# KiCad board FetsAndCrosses.kicad_pcb (continued)
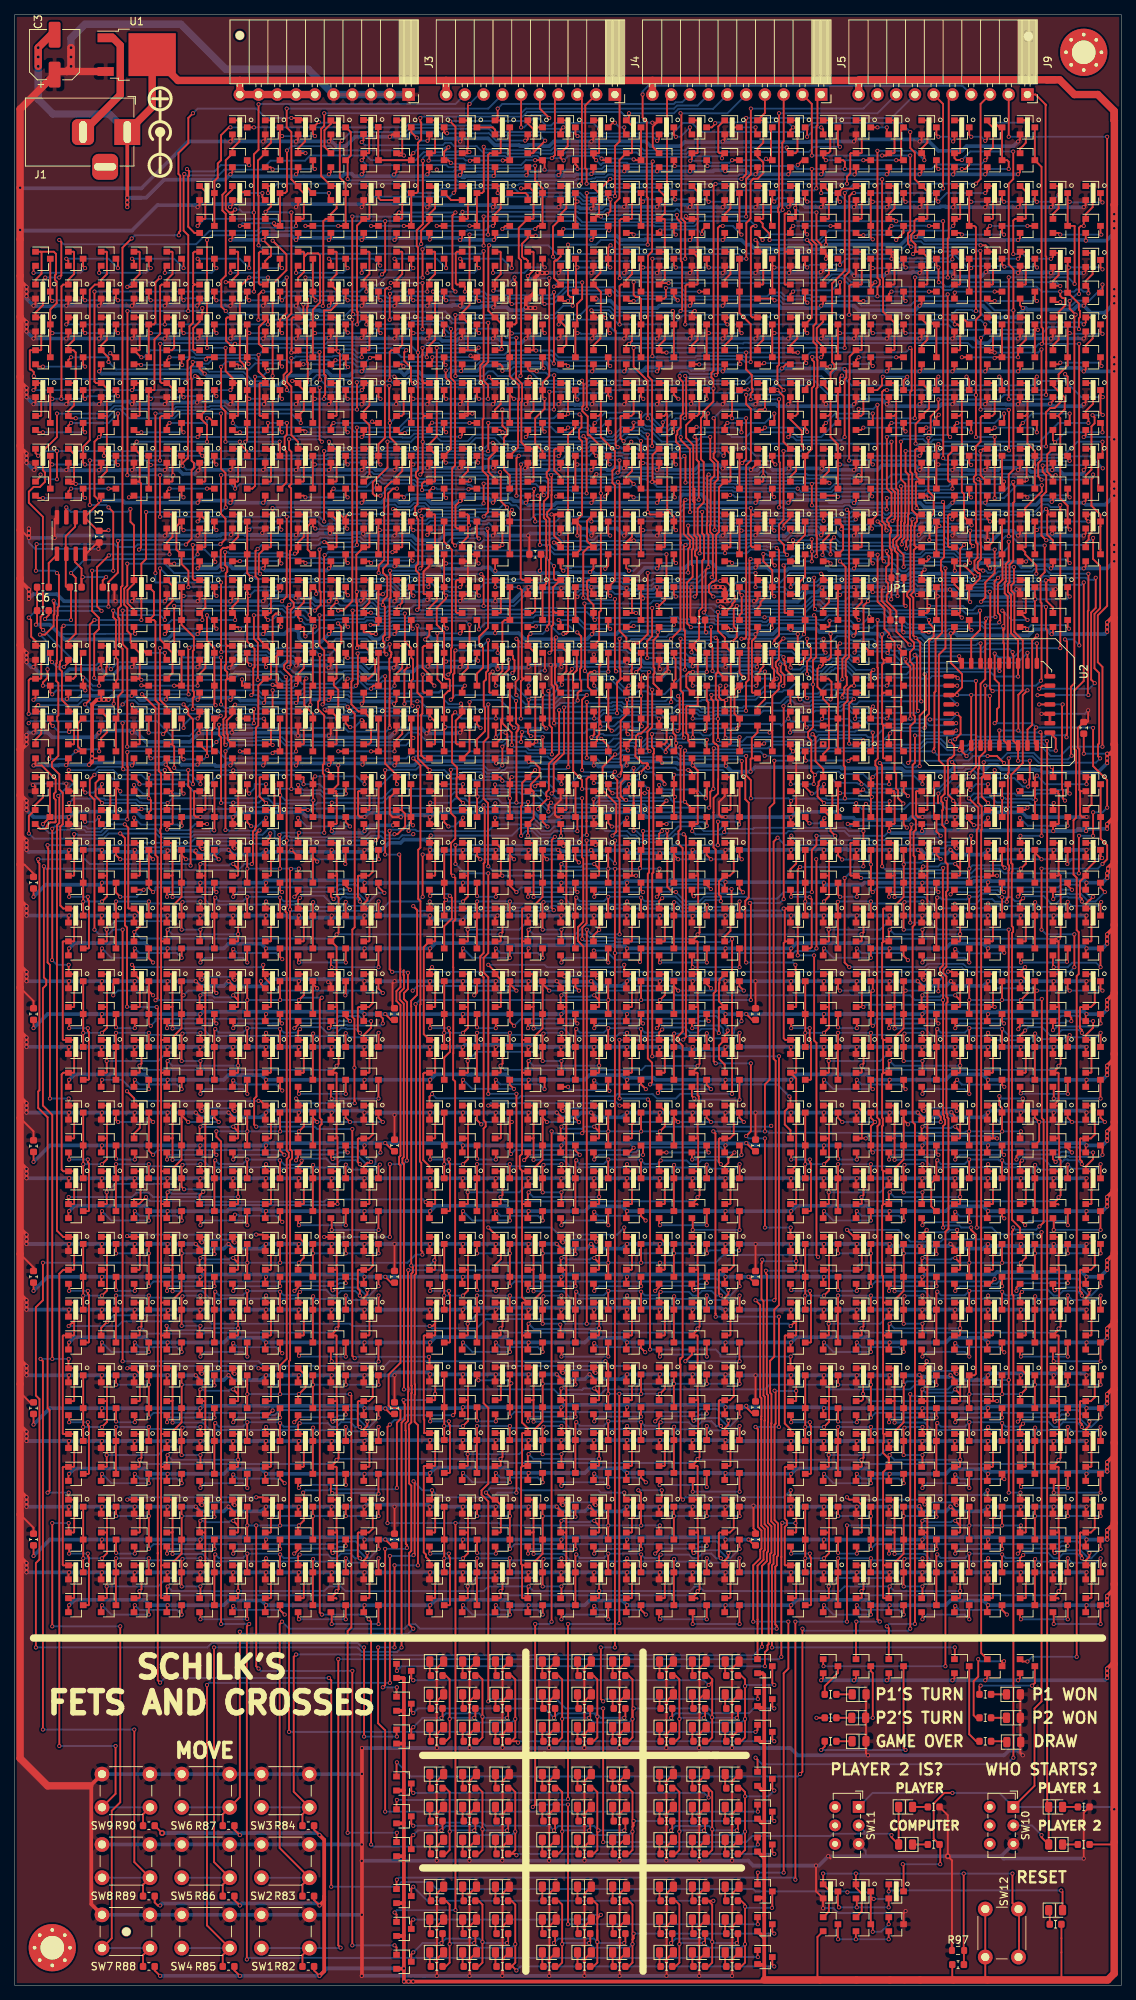
[diagram p0: board, top side]
## Routing (per net, layer and track width the routed paths; a pad name or vN(x,y) marks a point on that pad's centre or on a via; arc(x,y) is an arc through that point) (continued)
/EndState_Detect/Win_Detect_P2/Col_2: length 34.5
  Top w0.25: Q603.1 52.41,234.63 52.48,234.55 52.48,231.61 51.7,230.83 Q600.1 51.47,230.42 v1(50.93,230.42) ; 53.7,223.88 Q559.3 ; 53.7,223.88 Q561.3 ; 53.71,223.89 53.72,223.89 v1(53.99,223.61) ; Q564.3 62.59,223.9 v1(62.88,223.61) ; Q560.3 58.15,223.45 v1(58.1,223.4) ; v1(55.22,230.39) 55.22,230.39 v1(55.22,224.15)
  Bottom w0.25: v1(55.22,230.39) 50.95,230.39 v1(50.93,230.42) ; 55.25,223.52 55.22,223.54 v1(55.22,224.15) ; 55.25,223.52 55.4,223.67 57.83,223.67 v1(58.1,223.4) 58.36,223.14 59.56,223.14 60.03,223.61 v1(62.88,223.61) ; 55.25,223.52 55.15,223.61 v1(53.99,223.61)
/EndState_Detect/Win_Detect_P2/Col_3: length 50
  Top w0.25: Q602.1 47.96,234.63 48.04,234.55 48.04,231.61 47.26,230.83 Q595.1 47.62,229.82 v1(47.62,229.23) ; Q567.3 40.37,206.1 ; 40.37,206.1 Q565.3 ; 40.37,206.1 40.37,206.1 v1(40.64,205.83) ; v1(50.75,229.69) 50.36,229.69 50.15,229.47 50.15,223.27 50.13,223.26 50.13,209.45 49.26,208.58 Q570.3 49.26,206.1 v1(49.53,205.83) ; Q566.3 44.81,206.1 v1(45.08,205.83)
  Bottom w0.25: v1(50.75,229.69) 48.08,229.69 v1(47.62,229.23) ; v1(49.53,205.83) 49.26,206.11 45.36,206.11 v1(45.08,205.83) v1(40.64,205.83)
/EndState_Detect/Win_Detect_P2/Diag_1: length 39
  Top w0.25: 40.37,214.99 Q589.3 ; 40.37,214.99 Q591.3 ; 40.37,214.99 40.37,214.99 v1(40.64,214.72) ; Q598.1 43.52,234.63 43.59,234.55 43.59,231.61 42.81,230.83 Q605.1 43.59,229.41 43.59,227.49 42.79,226.69 41.89,226.69 41.89,218.09 42.1,217.87 42.1,217.58 42.04,217.51 42.04,215.26 41.89,215.11 v1(41.89,214.72) ; v1(45.08,214.72) 44.81,214.99 Q590.3 ; v1(49.53,214.72) 49.26,214.99 Q594.3
  Bottom w0.25: v1(49.53,214.72) v1(45.08,214.72) v1(40.64,214.72)
/EndState_Detect/Win_Detect_P2/Diag_2: length 36.1
  Top w0.25: 40.37,223.88 Q583.3 40.37,226.79 41.34,227.75 41.34,234.15 41.08,234.41 39.66,234.41 39.18,233.93 39.18,231.91 ; 40.37,223.88 Q585.3 ; 40.37,223.89 40.38,223.89 v1(40.66,223.61) ; 39.18,231.91 38.37,231.09 Q599.1 ; 39.18,231.91 39.18,234.52 39.07,234.63 Q597.1 ; Q588.3 49.26,223.9 v1(49.55,223.61) ; v1(45.1,223.68) 44.81,223.97 Q584.3
  Bottom w0.25: v1(40.66,223.61) 45.03,223.61 v1(45.1,223.68) 45.17,223.61 v1(49.55,223.61)
/EndState_Detect/Win_Detect_P2/Row_1: length 44.6
  Top w0.25: 71.76,206.74 Q552.3 71.48,207.66 70.48,208.66 70.48,212.09 71.76,213.36 v1(71.76,214.72) 71.48,214.99 Q548.3 71.48,216.9 72.39,217.8 72.39,230.64 72.41,230.66 v1(72.41,231.05) ; Q549.3 Q547.3 67.04,215.25 67.57,214.72 v1(67.6,214.72) ; Q610.1 70.19,234.63 70.26,234.55 70.26,232.12 v1(69.48,231.35) Q607.1
  Bottom w0.25: 72.27,230.91 v1(72.41,231.05) 69.78,231.05 v1(69.48,231.35) ; v1(71.76,214.72) v1(67.6,214.72)
/EndState_Detect/Win_Detect_P2/Row_2: length 43.1
  Top w0.25: Q601.1 65.04,230.83 65.82,231.61 65.82,234.55 65.74,234.63 Q609.1 ; Q601.1 65.04,229.57 v1(64.82,229.35) ; Q601.1 64.72,230.5 ; 67.31,206.74 Q558.3 68.16,208.13 68.16,214.47 68.26,214.56 68.26,216.56 67.04,217.78 Q555.3 67.04,223.88 ; 67.04,223.88 Q553.3 67.74,224.79 67.95,224.99 67.95,230.5 67.69,230.76 v1(67.69,231.14) ; 67.04,223.88 67.04,223.88 67.04,223.85 v1(67.31,223.58) ; v1(71.77,223.61) 71.48,223.9 Q554.3
  Bottom w0.25: v1(67.69,231.14) 65.9,229.35 v1(64.82,229.35) ; v1(67.31,223.58) 71.74,223.58 v1(71.77,223.61)
/EndState_Detect/Win_Detect_P2/Row_3: length 72.8
  Top w0.25: 53.7,206.1 Q571.3 ; 53.7,206.1 Q573.3 ; 53.7,206.1 53.7,206.1 v1(53.98,205.83) ; v1(58.38,206.09) 58.15,206.32 Q572.3 59.06,207.91 59.06,216.92 58.37,217.6 v1(58.37,218.56) ; Q608.1 59.9,234.63 59.72,234.46 59.72,230.36 59.9,230.19 Q596.1 60.65,230.19 60.96,229.87 v1(60.96,229.23) ; v1(73.03,229.15) 73.03,219.51 v1(73.01,219.49) ; Q576.3 62.59,206.25 v1(62.76,206.09)
  Bottom w0.25: v1(53.98,205.83) 54.25,206.11 58.36,206.11 v1(58.38,206.09) v1(62.76,206.09) ; v1(73.03,229.15) 72.62,228.75 63.99,228.75 63.5,229.23 v1(60.96,229.23) ; v1(58.37,218.56) 58.56,218.56 59.1,219.11 62.4,219.11 63.09,219.8 66.7,219.8 67.11,220.2 72.29,220.2 v1(73.01,219.49)
/P2_Switch/0: length 33.3
  Top w0.25: Q335.3 Q336.3 27.05,156.34 v1(27.01,156.31) ; Q1108.1 7.97,150.17 8.05,150.25 8.05,154.54 ; 8.05,154.54 7.97,154.62 Q1107.1 ; 8.05,154.54 8.04,154.55 v1(8.04,155.79)
  Bottom w0.25: v1(27.01,156.31) 26.62,156.31 26.47,156.16 24.07,156.16 23.76,155.84 19.8,155.84 19.15,156.49 12.67,156.49 11.84,155.66 8.56,155.66 8.43,155.79 v1(8.04,155.79)
/P2_Switch/1: length 34.3
  Top w0.25: Q1019.3 Q1020.3 76.2,157.86 v1(76.2,156.21) ; Q1148.1 56.87,150.17 56.94,150.25 56.94,154.54 56.87,154.62 Q1147.1 56.17,155.43 v1(56.34,155.61)
  Bottom w0.25: v1(56.34,155.61) 67.34,155.61 68.39,156.66 70.31,156.66 71.21,155.76 72.63,155.76 73.08,156.21 v1(76.2,156.21)
/P2_Switch/2: length 34.8
  Top w0.25: v1(105.18,155.59) 105.06,155.47 Q1187.1 105.76,154.62 105.84,154.54 105.84,151.81 105.06,151.03 Q1188.1 ; v1(125.41,155.57) 124.84,156.15 Q1026.3 124.49,158.46 124.49,162.21 Q1025.3
  Bottom w0.25: v1(105.18,155.59) 105.8,154.97 117.83,154.97 118.15,155.3 125.14,155.3 v1(125.41,155.57)
/P2_Switch/3: length 155.8
  Top w0.25: Q1228.1 7.97,132.39 8.05,132.47 8.05,136.76 7.97,136.84 Q1227.1 7.3,136.87 v1(7.3,138.11) ; v1(5.05,138.75) 5.08,138.79 v1(5.08,156.53) ; v1(15.24,157.8) 15.29,157.85 15.29,164.88 15.24,164.93 v1(15.24,166.89) ; Q373.3 102.62,178.31 102.84,178.09 102.84,176.76 102.62,176.54 Q374.3 102.62,176.28 v1(103.19,176.85) ; v1(72.75,166.59) 72.75,170.2 72.42,170.53 72.42,175.01 v1(72.27,175.17)
  Bottom w0.25: v1(7.3,138.11) 5.69,138.11 v1(5.05,138.75) ; v1(72.75,166.59) 72.6,166.74 69.48,166.74 69.21,167 53.98,167 53.02,166.05 28.51,166.05 27.52,167.04 15.39,167.04 v1(15.24,166.89) ; 102.55,176.85 100.33,176.85 99.6,177.57 98.45,177.57 98.04,177.16 90.42,177.16 88,174.74 86.05,174.74 85.66,175.13 84.32,175.13 84.01,174.81 82.68,174.81 80.78,176.71 73.82,176.71 v1(72.27,175.17) ; v1(15.24,157.8) 12.7,157.8 11.46,156.56 9.87,156.56 9.59,156.84 5.4,156.84 v1(5.08,156.53) ; v1(103.19,176.85) 101.6,176.85
/P2_Switch/4: length 132.5
  Top w0.25: Q981.3 Q982.3 ; Q982.3 147,158.11 ; Q982.3 147.07,155.19 147.95,154.31 147.95,152.4 v1(147.32,151.76) ; Q1235.1 56.87,136.84 56.94,136.76 56.94,132.47 56.87,132.39 Q1236.1 ; Q1235.1 56.17,137.45 v1(56.52,137.79) ; Q1235.1 56.2,136.87 ; v1(143.51,137.79) v1(143.51,142.24) ; v1(139.06,142.88) v1(139.06,151.13)
  Bottom w0.25: v1(56.52,137.79) 57.15,137.16 123.19,137.16 123.83,137.79 128.27,137.79 128.91,137.16 142.88,137.16 v1(143.51,137.79) ; v1(143.51,142.24) 139.7,142.24 v1(139.06,142.88) ; v1(139.06,151.13) 146.69,151.13 v1(147.32,151.76)
/P2_Switch/5: length 90
  Top w0.25: 105.76,136.84 Q1275.1 ; 105.76,136.84 105.84,136.76 105.84,132.47 105.76,132.39 Q1276.1 ; 105.76,136.84 105.76,138.08 v1(105.73,138.11) ; v1(77.47,173.67) 77.47,166.14 v1(77.47,166.14) ; v1(99.06,138.43) 98.94,138.55 98.94,146.77 99.41,147.24 99.41,160.05 98.95,160.52 98.95,163.22 98.46,163.71 v1(98.46,165.69) ; Q1063.3 89.28,179.69 89.5,179.47 89.5,176.76 89.28,176.54 Q1064.3 88.9,175.51 v1(88.9,173.67)
  Bottom w0.25: 84.11,166.08 84.19,166.08 84.33,166.22 89.69,166.22 89.98,165.92 98.23,165.92 v1(98.46,165.69) ; 84.11,166.08 82.52,166.08 81.98,165.54 79.31,165.54 78.71,166.14 v1(77.47,166.14) ; 84.11,166.08 84.14,166.05 ; v1(77.47,173.67) 77.62,173.52 80.77,173.52 80.92,173.67 82.24,173.67 82.55,173.35 88.58,173.35 v1(88.9,173.67) ; v1(105.73,138.11) 105.41,138.43 v1(99.06,138.43)
/P2_Switch/6: length 97.1
  Top w0.25: Q1316.1 7.97,114.61 8.05,114.69 8.05,118.98 7.97,119.06 Q1315.1 7.27,119.98 v1(7.3,120.01) ; v1(4.76,120.01) 4.76,138.11 4.45,138.43 4.45,151.06 4.54,151.16 4.54,153.82 4.45,153.92 v1(4.45,154.31) ; Q379.3 Q380.3 49.28,155.32 v1(48.93,154.97)
  Bottom w0.25: v1(48.93,154.97) 48.26,154.31 34.29,154.31 34.11,154.49 30.61,154.49 30.29,154.81 25.59,154.81 24.95,154.17 20.19,154.17 20.04,154.02 16.86,154.02 16.57,154.31 v1(4.45,154.31) ; v1(7.3,120.01) v1(4.76,120.01)
/P2_Switch/7: length 134.6
  Top w0.25: Q975.3 Q976.3 98.17,157.2 v1(98.09,157.11) ; Q1367.1 56.87,114.61 56.94,114.69 56.94,118.98 56.87,119.06 Q1366.1 56.17,120.27 v1(56.52,120.62) ; v1(95.23,154.31) 95.23,157.46 v1(95.25,157.48) ; v1(77.45,154.94) 77.45,143.74 76.87,143.16 v1(76.87,141.63) ; v1(97.16,120.65) v1(97.16,141.6)
  Bottom w0.25: v1(95.23,154.31) 89.23,154.31 88.74,153.81 84.06,153.81 83.56,154.31 80.65,154.31 80.01,154.94 v1(77.45,154.94) ; v1(95.25,157.48) 97.73,157.48 v1(98.09,157.11) ; v1(76.87,141.63) 77.16,141.34 81.29,141.34 81.44,141.19 96.74,141.19 v1(97.16,141.6) ; v1(56.52,120.62) 57.08,120.05 68.23,120.05 68.52,120.34 81.35,120.34 81.63,120.62 86.33,120.62 ; 86.33,120.62 86.39,120.62 87,120.01 89.54,120.01 90.17,120.65 v1(97.16,120.65) ; 86.33,120.62 86.39,120.55
/P2_Switch/8: length 95.9
  Top w0.25: Q1101.3 76.11,180.17 76.11,177.97 75.6,177.45 75.6,176.24 Q1102.3 75.63,175.58 75.63,164.31 76.84,163.11 v1(76.84,161.92) ; v1(85.76,161.94) 85.91,161.79 85.91,150.61 85.74,150.44 85.74,125.44 86.33,124.86 86.33,122.2 v1(86.04,121.92) ; v1(104.92,120.28) 105.06,120.14 Q1374.1 104.29,118.28 104.29,116.5 105.06,115.72 Q1375.1
  Bottom w0.25: v1(104.92,120.28) 103.28,121.92 v1(86.04,121.92) ; v1(76.84,161.92) 76.85,161.94 81.61,161.94 82.87,163.19 84.5,163.19 v1(85.76,161.94)
/P2_Switch/C_8: length 186.2
  Top w0.25: v1(125.1,214.63) 125.1,213.36 124.05,212.31 124.05,209.96 v1(123.83,210.19) ; 139.61,254.55 138.26,255.9 J9.1 ; 139.61,254.55 139.7,254.46 ; 139.61,254.55 139.61,234.02 139.7,233.94 139.7,219.71 ; v1(139.68,215.26) 139.7,215.26 139.7,219.71 ; 139.7,219.71 139.7,219.07 ; v1(97.79,186.69) 97.38,186.28 97.38,183.93 97.79,183.51 97.79,182.46 v1(97.11,181.78) ; v1(118.11,209.55) 118.11,202.56 118.74,201.93 118.74,199.01 118.12,198.39 118.12,198.13 118.38,197.88 118.38,197.5 118.68,197.2 118.68,196.62 118.51,196.46 118.51,194.54 118.74,194.31 118.74,193.77 118.81,193.7 118.81,191.7 118.74,191.63 JP1.2 118.74,187.62 v1(118.71,187.58) ; v1(90.17,182.25) 90.17,175.26 90.5,174.93 90.5,168.98 v1(90.62,168.86) ; 66.04,171.45 66.04,170.81 67.31,169.54 v1(67.31,167.88) ; 66.04,171.45 65.86,171.27 65.86,168.76 Q1066.1 ; 66.04,171.45 66.04,177.23 66.91,178.09 v1(66.91,179.4) ; v1(65.41,180.34) 65.41,180.94 Q1065.1 ; v1(88.89,168.86) 88.89,168.02 88.16,167.29 v1(88.16,166.9)
  Bottom w0.25: v1(118.71,187.58) 118.33,187.96 113.03,187.96 112.39,187.32 110.49,187.32 109.86,187.96 107.95,187.96 106.68,186.69 v1(97.79,186.69) ; v1(118.11,209.55) 118.27,209.71 123.15,209.71 123.46,210.02 123.66,210.02 v1(123.83,210.19) ; v1(139.68,215.26) 133.98,215.26 133.35,214.63 v1(125.1,214.63) ; v1(67.31,167.88) 67.58,167.61 69.25,167.61 69.66,167.19 81.47,167.19 82.01,167.73 83.72,167.73 84.27,167.19 85.28,167.19 85.82,167.73 87.32,167.73 v1(88.16,166.9) ; v1(65.41,180.34) 66.34,179.4 v1(66.91,179.4) ; v1(97.11,181.78) 94.44,181.78 94.17,182.06 90.35,182.06 v1(90.17,182.25) ; v1(90.62,168.86) 90.48,168.71 89.04,168.71 v1(88.89,168.86)
/P2_Switch/P2_isComputer: length 573.8
  Top w0.25: Q654.1 145.75,243.52 145.99,243.28 145.99,240.66 145.05,239.72 Q653.1 144.78,238.8 v1(144.78,238.12) 144.39,238.12 144.14,237.88 v1(144.14,228.92) ; Q413.1 82.14,176.87 81.66,176.39 ; 81.66,176.39 82.03,176.76 82.03,178.14 81.92,178.25 v1(81.92,182.25) ; 81.66,176.39 81.58,176.31 v1(81.58,172.17) ; Q414.1 78.49,172.31 v1(78.49,171.45) ; Q417.1 68.8,176.87 ; 68.8,176.87 68.8,176.75 68.55,176.49 v1(68.55,171.45) ; 68.8,176.87 68.67,177 68.67,188.82 v1(68.26,189.23) ; Q418.1 65.15,172.31 v1(65.15,171.45) ; 16.86,159.06 Q386.1 17.03,159.06 v1(17.17,159.2) ; v1(131.83,160.02) 130.96,160.89 130.96,163.43 ; 130.96,163.43 131.03,163.51 Q401.1 ; 130.96,163.43 131.23,163.7 v1(131.23,165.51) ; 59.91,163.51 59.84,163.43 59.84,160.89 v1(60.71,160.02) ; 59.91,163.51 Q405.1 ; 59.91,163.51 59.91,164.81 59.23,165.5 59.23,171.87 v1(59.66,172.3) ; v1(95.27,168.54) 95.24,168.57 v1(95.24,171.42) 95.24,173.83 94.95,174.12 94.95,177.43 95.22,177.7 95.22,177.77 ; v1(63.5,159.7) 63.5,159.31 63.65,159.16 63.65,151.98 63.5,151.83 63.5,139.7 63.05,139.25 63.05,136.89 63.5,136.44 63.5,117.09 63.78,116.81 63.78,116.23 63.5,115.95 63.5,78.78 64.14,78.14 64.14,67.88 63.22,66.96 63.22,66.39 64.14,65.47 v1(64.14,38.42) ; v1(142.88,227.96) 142.88,226.92 v1(143.67,226.12) 143.51,225.95 143.51,176.21 143.05,175.75 143.05,166.51 v1(143.14,166.42) ; v1(65.09,189.23) 65.09,190.15 Q419.1 65.76,190.18 65.83,190.1 65.83,185.81 65.76,185.73 Q420.1 ; v1(108.05,169.32) 108.44,168.93 108.44,165.67 109.51,164.6 Q409.1 108.87,162.87 108.87,162.41 108.73,162.27 108.73,160.89 v1(109.6,160.02) ; Q398.1 87.28,159.35 v1(88.27,160.34) ; v1(118.74,20.32) 118.74,20.02 D85.2 D84.1 ; v1(94.93,182.38) 95.22,182.1 95.22,177.77 ; 95.22,177.77 95.28,177.77 Q389.1 ; v1(72.63,160.05) 72.28,159.71 v1(72.28,158.86) ; 39.09,159.06 Q394.1 39.69,159.06 v1(39.69,159.07) ; Q393.1 33.24,163.51 33.17,163.43 33.17,160.89 v1(34.04,160.02) ; v1(79.69,19.37) v1(79.69,37.46) ; Q402.1 136.84,159.06 v1(137.16,159.38) ; Q397.1 82.06,162.73 82.06,160.95 82.58,160.44 v1(82.79,160.44) ; v1(65.09,159.96) 65.06,159.93 Q406.1 ; v1(11.81,160.02) 11.81,160.08 10.94,160.95 10.94,162.73 Q385.1 ; v1(113.96,159.99) 113.95,159.98 Q410.1 ; Q390.1 91.82,172.31 v1(91.82,171.45)
  Bottom w0.25: v1(11.81,160.02) 16.35,160.02 v1(17.17,159.2) 29.05,159.2 29.3,159.45 33.47,159.45 v1(34.04,160.02) 34.72,159.33 38.73,159.33 38.74,159.34 39.41,159.34 v1(39.69,159.07) 40.08,159.07 40.27,159.27 49.69,159.27 49.76,159.33 60.02,159.33 v1(60.71,160.02) 61.25,159.48 63.73,159.48 ; v1(108.05,169.32) 107.67,168.94 99.14,168.94 98.53,168.32 98.21,168.32 98.16,168.26 95.54,168.26 v1(95.27,168.54) ; v1(109.6,160.02) 113.92,160.02 v1(113.96,159.99) 114.74,159.2 120.46,159.2 121.25,159.99 125.38,159.99 126.17,159.2 128.08,159.2 128.47,159.59 131.4,159.59 v1(131.83,160.02) 132.37,159.48 135.98,159.48 136.07,159.38 v1(137.16,159.38) ; v1(95.24,171.42) 92.24,171.42 92.21,171.45 v1(91.82,171.45) ; v1(79.69,19.37) 99.06,19.37 99.9,20.21 110.49,20.21 110.79,20.5 115.08,20.5 ; v1(64.14,38.42) 64.45,38.73 73.34,38.73 74.61,37.46 v1(79.69,37.46) ; v1(59.66,172.3) 60.5,171.45 v1(65.15,171.45) v1(68.55,171.45) 79.06,171.45 ; v1(81.58,172.17) 79.78,172.17 79.06,171.45 ; v1(68.26,189.23) v1(65.09,189.23) ; v1(72.63,160.05) 72.84,159.84 78.55,159.84 79,160.29 82.64,160.29 v1(82.79,160.44) 82.94,160.29 88.21,160.29 v1(88.27,160.34) 88.44,160.17 ; 115.08,20.5 118.56,20.5 v1(118.74,20.32) ; 115.08,20.5 115.08,20.85 SW11.2 ; v1(94.93,182.38) 94.81,182.51 90.79,182.51 90.46,182.85 88.61,182.85 88.28,182.51 86.1,182.51 85.95,182.66 82.33,182.66 v1(81.92,182.25) ; v1(65.09,159.96) 65.03,159.96 64.54,159.48 ; v1(131.23,165.51) 131.48,165.77 133.44,165.77 134.46,166.79 138.01,166.79 138.88,165.92 142.64,165.92 v1(143.14,166.42) ; 79.06,171.45 v1(78.49,171.45) ; v1(144.14,228.92) 143.83,228.92 v1(142.88,227.96) ; 63.73,159.48 v1(63.5,159.7) ; 63.73,159.48 64.54,159.48 ; 64.54,159.48 69.69,159.48 70.2,159.99 71.15,159.99 v1(72.28,158.86)
/P2_Switch/sheet5ED3BBFC/sheet5F4E3E19/A: length 27.5
  Top w0.25: v1(93.5,169.76) 93.73,170 Q390.3 93.95,171.67 93.95,173.64 93.73,173.86 Q387.3 ; v1(97.85,170.12) 98.17,170.44 Q388.3 98.12,171.45 97.47,172.1 97.47,175.27 98.12,175.92 Q389.3 98.17,175.22 v1(98.1,175.15) ; v1(100.43,175.87) 100.62,176.06 Q374.1 100.62,177.5 101,177.88 101,178.09 101.39,178.48 101.39,181.21 101.32,181.29 Q373.1
  Bottom w0.25: v1(93.5,169.76) 93.85,170.12 v1(97.85,170.12) ; v1(98.1,175.15) 98.82,175.87 v1(100.43,175.87)
/P2_Switch/sheet5ED3CF2E/sheet5F4E3E19/A: length 28.9
  Top w0.25: Q394.3 40.39,160.32 v1(40.44,160.37) 40.39,160.43 Q392.3 40.39,163.33 v1(40.67,163.62) ; Q380.1 47.98,159.06 48.05,159.14 48.05,163.43 47.98,163.51 Q379.1 47.37,163.41 v1(47.37,162.56) ; Q393.3 Q391.3
  Bottom w0.25: v1(40.44,160.37) 40.43,160.38 36.63,160.38 v1(35.94,161.07) ; v1(40.67,163.62) 46.31,163.62 v1(47.37,162.56)
/P2_Switch/sheet5ED3E1AA/sheet5F4E3E19/A: length 30.7
  Top w0.25: 96.95,163.43 96.95,159.14 96.87,159.06 Q976.1 ; 96.95,163.43 96.87,163.51 Q975.1 ; 96.95,163.43 96.95,163.4 v1(97.16,163.19) ; v1(89.28,163.83) Q396.3 89.28,160.99 v1(89.42,160.85) 89.28,160.71 Q398.3 ; Q975.1 96.27,163.41 96.27,163.29 ; Q975.1 96.49,163.19 ; v1(85.31,161.34) 85.29,161.35 84.84,161.35 ; Q397.3 84.84,161.35 ; 84.84,161.35 Q395.3
  Bottom w0.25: v1(85.31,161.34) 87.74,161.34 87.79,161.39 88.74,161.39 89.28,160.85 v1(89.42,160.85) ; v1(89.28,163.83) 92,163.83 92.66,164.49 95.86,164.49 v1(97.16,163.19)
/P2_Switch/sheet5ED3F30E/sheet5F4E3E19/A: length 28.6
  Top w0.25: Q401.3 Q399.3 ; v1(145.16,162.56) 145.16,163.41 Q981.1 145.77,163.51 145.84,163.43 145.84,159.84 Q982.1 ; Q402.3 138.18,160.34 v1(138.27,160.43) 138.18,160.53 Q400.3 138.18,163.47 v1(138.43,163.72)
  Bottom w0.25: v1(138.43,163.72) 139.59,162.56 v1(145.16,162.56) ; v1(138.27,160.43) 137.88,160.43 137.74,160.57 134.24,160.57 134.12,160.69 v1(133.73,160.69)
/P2_Switch/sheet5ED43BA7/sheet5F4E3E19/A: length 27.6
  Top w0.25: Q415.3 Q418.3 67.06,170.74 v1(67.6,170.2) ; v1(71.5,174.62) Q417.3 Q416.3 71.5,170.6 v1(72,170.11) ; Q1101.1 74.72,180.51 74.72,177.85 73.95,177.07 Q1102.1 73.95,176.19 v1(74.11,176.03)
  Bottom w0.25: v1(74.11,176.03) 72.65,174.57 71.95,174.57 71.89,174.62 v1(71.5,174.62) ; 71.5,170.18 70.8,170.18 ; 70.8,170.18 70.78,170.2 v1(67.6,170.2) ; 70.8,170.18 70.88,170.11 v1(72,170.11)
/P2_Switch/sheet5ED404CD/sheet5F4E3E19/A: length 28.6
  Top w0.25: Q1020.1 74.65,159.06 74.72,159.14 74.72,163.43 74.65,163.51 Q1019.1 74.04,163.41 v1(74.04,162.56) ; Q405.3 Q403.3 ; Q406.3 v1(67.06,160.65) Q404.3 67.06,163.26 v1(67.31,163.51)
  Bottom w0.25: v1(67.06,160.65) 66.7,161.01 62.82,161.01 v1(62.68,160.87) ; v1(74.04,162.56) 73.02,163.58 67.38,163.58 v1(67.31,163.51)
/P2_Switch/sheet5ED416D9/sheet5F4E3E19/A: length 29.6
  Top w0.25: Q1026.1 123.54,159.06 123.62,159.14 123.62,163.43 123.54,163.51 Q1025.1 122.94,163.41 v1(122.94,162.56) ; Q409.3 111.51,161.67 ; 111.51,161.67 111.51,161.62 v1(111.78,161.35) ; 111.51,161.67 Q407.3 ; v1(116.2,163.51) 116.14,163.45 115.95,163.45 Q408.3 115.95,160.96 v1(116.08,160.83) 115.95,160.71 Q410.3
  Bottom w0.25: v1(116.2,163.51) 116.81,164.11 119.84,164.11 120.25,163.7 121.79,163.7 v1(122.94,162.56) ; v1(111.78,161.35) 114.4,161.35 114.8,160.94 115.96,160.94 v1(116.08,160.83)
/P2_Switch/sheet5ED4298D/sheet5F4E3E19/A: length 31.1
  Top w0.25: Q411.3 Q414.3 80.39,170.26 v1(80.85,169.8) ; Q413.3 Q412.3 84.84,170.48 v1(84.91,170.4) ; Q413.3 v1(84.84,174.53) ; Q413.3 84.84,177.02 v1(85.11,177.3) ; Q1064.1 88.24,177.8 v1(88.58,177.8) 88.43,177.95 88.43,178.59 ; 88.43,178.59 88.43,177.73 ; 88.43,178.59 88.43,180.84 87.98,181.29 Q1063.1
  Bottom w0.25: v1(80.85,169.8) 81.24,169.8 81.82,170.38 83.62,170.38 83.82,170.18 ; 84.84,170.18 83.82,170.18 ; 83.82,170.18 84.69,170.18 v1(84.91,170.4) ; v1(85.11,177.3) 85.38,177.02 87.8,177.02 v1(88.58,177.8)
/P2_Switch/sheet5ED39784/sheet5F4E3E19/A: length 30.5
  Top w0.25: Q383.3 Q385.3 13.72,162.18 v1(14.29,161.61) ; Q336.1 25.75,159.06 25.83,159.14 25.83,163.43 25.75,163.51 Q335.1 25.15,163.41 v1(25.15,162.56) ; v1(18.16,163.83) Q384.3 v1(18.16,160.65) 18.44,160.38 18.44,159.04 18.16,158.76 Q386.3
  Bottom w0.25: v1(18.16,163.83) 23.88,163.83 v1(25.15,162.56) ; v1(18.16,160.65) 16.98,160.65 16.57,161.07 14.39,161.07 14.29,161.17 v1(14.29,161.61)
/P2_Switch/~{IS_CPU}: length 282
  Top w0.25: v1(82.93,173.99) 82.93,172.5 Q412.1 82.84,171.94 82.06,171.16 82.06,165.21 82.2,165.07 82.2,164.31 82.06,164.17 82.06,163.9 v1(81.87,163.72) ; v1(78.49,175.89) 78.39,175.99 Q411.1 ; Q416.1 69.6,172.5 v1(69.6,173.99) ; v1(65.15,175.89) 65.06,175.99 Q415.1 65.06,176.88 66.04,177.86 66.04,184.47 66.36,184.78 Q420.3 Q419.3 ; Q384.1 16.89,162.78 v1(16.89,162.56) ; Q408.1 114.68,162.78 v1(114.68,162.56) ; Q396.1 88.01,162.78 v1(88.01,162.56) ; v1(61.57,163.6) 61.57,159.33 61.31,159.06 Q403.1 ; Q391.1 34.64,159.06 35.17,159.59 35.17,162.64 35.09,162.64 34.92,162.81 v1(34.92,163.19) ; v1(91.82,175.89) 91.73,175.99 Q387.1 ; 83.82,160.02 83.82,160.01 v1(83.82,156.26) ; 83.82,160.02 83.82,159.35 83.54,159.06 Q395.1 ; 83.82,160.02 v1(83.82,164.76) ; v1(95.57,175.89) 95.4,175.72 95.4,174.31 95.75,173.96 v1(96.36,173.96) 96.17,173.77 Q388.1 ; Q392.1 39.09,163.51 39.12,163.48 v1(39.12,162.56) ; v1(66.03,163.02) 66.03,163.23 65.76,163.51 Q404.1 ; Q399.1 132.43,159.06 132.66,159.29 132.66,164.41 v1(132.72,164.46) ; v1(89.54,147.95) 89.1,147.95 88.38,148.68 v1(88.38,156.25) ; Q383.1 12.42,159.06 12.94,159.59 12.94,163.55 v1(12.67,163.83) ; Q400.1 136.22,163.51 v1(136.8,162.93) ; v1(110.43,163.55) 110.73,163.25 110.73,159.59 110.21,159.06 Q407.1 110.49,158.08 110.49,156.21 v1(111.13,155.57) ; v1(107.95,147.95) 107.95,153.67 108.59,154.31 v1(108.59,155.57)
  Bottom w0.25: v1(88.01,162.56) 86.39,164.19 85.47,164.19 85.16,164.5 85.16,165.07 84.8,165.07 83.95,164.22 83.49,164.22 ; 83.49,164.22 82.3,164.22 81.92,163.83 ; 83.49,164.22 83.49,164.43 v1(83.82,164.76) ; v1(65.15,175.89) 67.69,175.89 v1(69.6,173.99) 73.02,173.99 74.26,175.23 79.09,175.23 80.33,173.99 ; 133.04,164.14 132.87,163.96 130.33,163.96 129.67,164.62 128.85,164.62 128.51,164.28 127.45,164.28 125.13,161.96 115.67,161.96 115.07,162.56 v1(114.68,162.56) 114.29,162.56 114.11,162.74 111.23,162.74 v1(110.43,163.55) ; 133.04,164.14 v1(132.72,164.46) ; 133.04,164.14 133.04,164.11 133.19,163.96 135.76,163.96 v1(136.8,162.93) ; v1(107.95,147.95) 104.14,147.95 103.25,147.06 99.32,147.06 99.06,147.32 93.34,147.32 92.71,146.69 90.81,146.69 v1(89.54,147.95) ; v1(78.49,175.89) 80.33,173.99 ; 80.33,173.99 80.6,174.26 82.66,174.26 v1(82.93,173.99) 83.12,173.81 88.14,173.81 88.61,174.27 89.19,174.27 89.66,173.81 92.9,173.81 93.06,173.97 96.35,173.97 v1(96.36,173.96) ; v1(88.38,156.25) 88.38,156.07 87.92,155.61 84.8,155.61 84.16,156.26 v1(83.82,156.26) ; 34.29,163.83 27.62,163.83 25.27,161.47 24.33,161.47 23.24,162.56 v1(16.89,162.56) 16.22,163.23 13.27,163.23 v1(12.67,163.83) ; 34.29,163.83 v1(34.92,163.19) ; 34.29,163.83 37.85,163.83 v1(39.12,162.56) 41.27,162.56 41.91,161.92 49.15,161.92 51.05,163.83 58.17,163.83 58.67,163.32 61.3,163.32 v1(61.57,163.6) 62.06,163.11 65.94,163.11 v1(66.03,163.02) 66.14,162.91 72.04,162.91 73.34,161.61 74.3,161.61 76.33,163.64 81.72,163.64 81.92,163.83 ; v1(111.13,155.57) v1(108.59,155.57) ; v1(81.87,163.72) 81.92,163.76 81.92,163.83 ; v1(91.82,175.89) v1(95.57,175.89)
/PlayerMem_1/0: length 618
  Top w0.25: Q11.3 31.48,99.08 ; 31.48,99.08 31.5,99.06 ; 31.48,99.08 Q12.3 ; Q14.3 35.92,97.81 v1(35.94,97.79) ; Q29.1 38.37,97.68 v1(38.48,97.79) 39.15,98.45 39.15,100.55 38.42,101.28 Q27.1 38.48,101.39 ; v1(15.88,215.9) 16.14,216.17 Q459.1 16.85,216.85 16.92,216.77 16.92,212.48 16.85,212.4 Q461.1 ; J4.1 81.92,255.27 81.92,249.55 81.3,248.94 v1(81.3,242.15) ; v1(28.55,221.61) 28.55,218.46 29.48,217.54 Q429.1 ; v1(55.21,98.89) 55.21,99.28 55.06,99.43 55.06,111.31 54.88,111.5 54.88,132.69 54.94,132.76 54.94,146.74 54.64,147.04 54.64,153.67 54.94,153.97 54.94,165.09 v1(53.98,166.05) ; v1(94.4,190.58) 94.55,190.73 94.55,196.33 94.18,196.7 94.18,197.68 94.25,197.75 94.25,203.78 94.75,204.29 94.75,205.98 94.2,206.54 v1(94.2,209.56) ; v1(26.04,236.22) v1(26.04,221.61) ; v1(3.81,97.79) 3.81,92.71 2.86,91.76 2.86,79.82 3.34,79.34 3.34,57.63 2.86,57.15 v1(2.86,45.72) ; v1(65.41,242.57) 65.41,243.15 Q494.1 65.74,243.52 65.82,243.44 65.82,240.5 65.04,239.72 Q493.1 65.04,238.39 v1(64.77,238.12) ; v1(86.33,175.34) 86.33,170.3 85.69,169.65 85.69,167.3 v1(85.96,167.03) ; v1(2.54,215.9) 2.81,216.17 Q471.1 3.51,216.85 3.59,216.77 3.59,212.48 3.51,212.4 Q473.1 ; v1(51.75,33.65) 51.7,33.7 51.7,34.6 ; v1(29.21,215.9) 29.48,216.17 Q429.1 ; Q429.1 30.18,216.85 30.26,216.77 30.26,212.48 30.18,212.4 Q431.1 29.53,212.36 v1(29.53,211.45) ; v1(77.22,177.89) 77.22,186.94 v1(77.15,187.01) ; v1(130.73,186.05) 130.73,183.43 129.54,182.25 U2.12 ; v1(95.56,190.08) 95.66,190.18 Q771.1 97.13,189.21 97.13,188.42 97.5,188.04 97.5,187.29 97.19,186.98 97.19,186.77 Q772.1 96.16,186.38 95.94,186.6 v1(95.59,186.6) ; v1(47.31,33.65) v1(47.31,45.72)
  Bottom w0.25: v1(26.04,221.61) v1(28.55,221.61) ; v1(94.4,190.58) 94.9,190.08 v1(95.56,190.08) ; v1(29.21,215.9) v1(15.88,215.9) v1(2.54,215.9) ; v1(2.86,45.72) 26.1,45.72 26.7,46.32 46.46,46.32 47.06,45.72 v1(47.31,45.72) ; v1(94.2,209.56) 92.97,209.56 92.34,208.93 87.61,208.93 85.99,210.55 85.35,210.55 85.02,210.89 82.24,210.89 80.93,209.58 80.24,209.58 79.9,209.92 77.73,209.92 77.39,210.26 76.74,210.26 76.67,210.19 73.34,210.19 72.64,210.88 64.45,210.88 64.42,210.85 57.75,210.85 57.72,210.89 52.78,210.89 52.11,210.22 46.05,210.22 45.41,210.85 39.69,210.85 39.66,210.88 39.08,210.88 39.05,210.85 30.13,210.85 v1(29.53,211.45) ; v1(86.33,175.34) 85.78,175.89 84.04,175.89 83.44,175.29 82.83,175.29 80.96,177.16 77.94,177.16 v1(77.22,177.89) ; v1(53.98,166.05) 54.32,166.4 69.18,166.4 69.29,166.29 72.16,166.29 72.46,165.99 73.01,165.99 73.76,166.74 80.28,166.74 81.03,165.99 81.79,165.99 82.33,166.53 84.01,166.53 84.21,166.74 85.67,166.74 v1(85.96,167.03) ; v1(55.21,98.89) 54.28,98.89 53.19,97.79 v1(38.48,97.79) v1(35.94,97.79) v1(31.5,97.79) 16.98,97.79 16.94,97.84 16.89,97.79 v1(3.81,97.79) ; v1(65.41,242.57) 65.88,242.1 76.42,242.1 77,241.52 78.35,241.52 78.42,241.6 79.04,241.6 79.6,242.15 80.24,242.15 80.39,242.31 81.15,242.31 v1(81.3,242.15) ; v1(130.73,186.05) 130.34,185.66 128.8,185.66 128.37,186.09 118.68,186.09 118.04,186.72 115.28,186.72 115.13,186.87 109.67,186.87 109.03,187.51 108.14,187.51 106.87,186.24 98.86,186.24 98.71,186.09 96.1,186.09 v1(95.59,186.6) 95.09,186.6 94.8,186.89 88,186.89 87.49,187.4 86.5,187.4 86.11,187.01 v1(77.15,187.01) ; v1(51.75,33.65) v1(47.31,33.65) ; v1(64.77,238.12) 64.38,238.12 63.8,237.55 61.31,237.55 61.19,237.43 33.42,237.43 32.84,236.85 26.67,236.85 v1(26.04,236.22)
/PlayerMem_1/1: length 571.4
  Top w0.25: Q53.3 80.38,99.08 ; 80.38,99.08 80.39,99.06 ; 80.38,99.08 Q54.3 ; Q56.3 84.82,97.81 v1(84.84,97.79) ; v1(87.38,97.79) 87.27,97.68 Q71.1 87.97,96.83 88.04,96.91 88.04,100.55 87.31,101.28 Q69.1 87.38,101.39 ; v1(96.2,193.82) 96.16,193.87 Q824.1 96.86,194.62 96.93,194.7 96.93,198.99 96.86,199.07 Q823.1 ; v1(108.8,98.58) 108.59,98.79 108.59,127.55 108.27,127.86 v1(108.27,139.38) ; v1(116.86,193.62) 116.86,187.27 117.79,186.34 117.79,183.59 118.43,182.95 v1(118.43,182.56) 119.16,181.83 119.16,164.19 119.38,163.96 119.38,161.96 119.62,161.72 119.62,160.67 v1(120.35,159.94) ; 94.62,215.9 94.62,214.36 93.26,213.01 93.26,212.44 92.93,212.12 92.93,207.68 92.94,207.67 92.94,206.53 93.31,206.16 93.31,200.68 92.49,199.86 92.49,196.43 92.83,196.09 92.83,193.89 v1(92.74,193.8) ; 94.62,215.9 94.62,216.1 v1(94.64,216.12) ; 94.62,215.9 94.62,217.38 94.35,217.64 94.35,218.22 94.64,218.51 94.64,243.53 v1(94.91,243.8) ; v1(53.31,96.78) 53.26,96.73 53.26,80.98 53.31,80.93 53.31,80.36 53.26,80.31 53.26,76.37 52.92,76.04 52.92,75.09 52.96,75.06 52.96,59.74 53.11,59.59 v1(53.11,59.2) ; v1(51.75,40.32) 51.7,40.27 Q1323.1 ; 77.27,248.08 77.27,245.95 77.45,245.77 v1(77.45,243.84) ; 77.27,248.08 77.27,247.85 ; 77.27,248.08 77.27,254.43 J4.2 ; v1(106.05,139.38) 106.05,151.03 v1(106.36,151.35) ; v1(33.02,220.66) 33.02,218.4 33.92,217.5 Q430.1 33.22,216.85 33.15,216.77 33.15,212.48 33.22,212.4 Q432.1 ; Q441.1 16.85,225.74 16.92,225.66 16.92,221.37 16.85,221.29 Q443.1 17.1,220.34 v1(17.14,220.34) ; v1(53.98,216.78) 53.66,217.09 53.66,218.96 52.75,219.87 52.75,221.02 v1(53.02,221.3) ; v1(115.28,159.89) 114.94,159.55 v1(114.94,156.21) v1(114.94,151.45) ; v1(50.17,59.05) 50.17,40.64 v1(49.85,40.32) ; v1(112.71,243.84) 112.71,244.79 113.16,245.24 113.16,247.89 113.23,247.96 Q515.1 114.64,247.96 114.71,248.04 114.71,252.33 114.64,252.41 Q516.1 ; U2.11 v1(130.81,181.61)